# Altium PCB SONDE_2.PcbDoc (part 5 of 10) (continued)
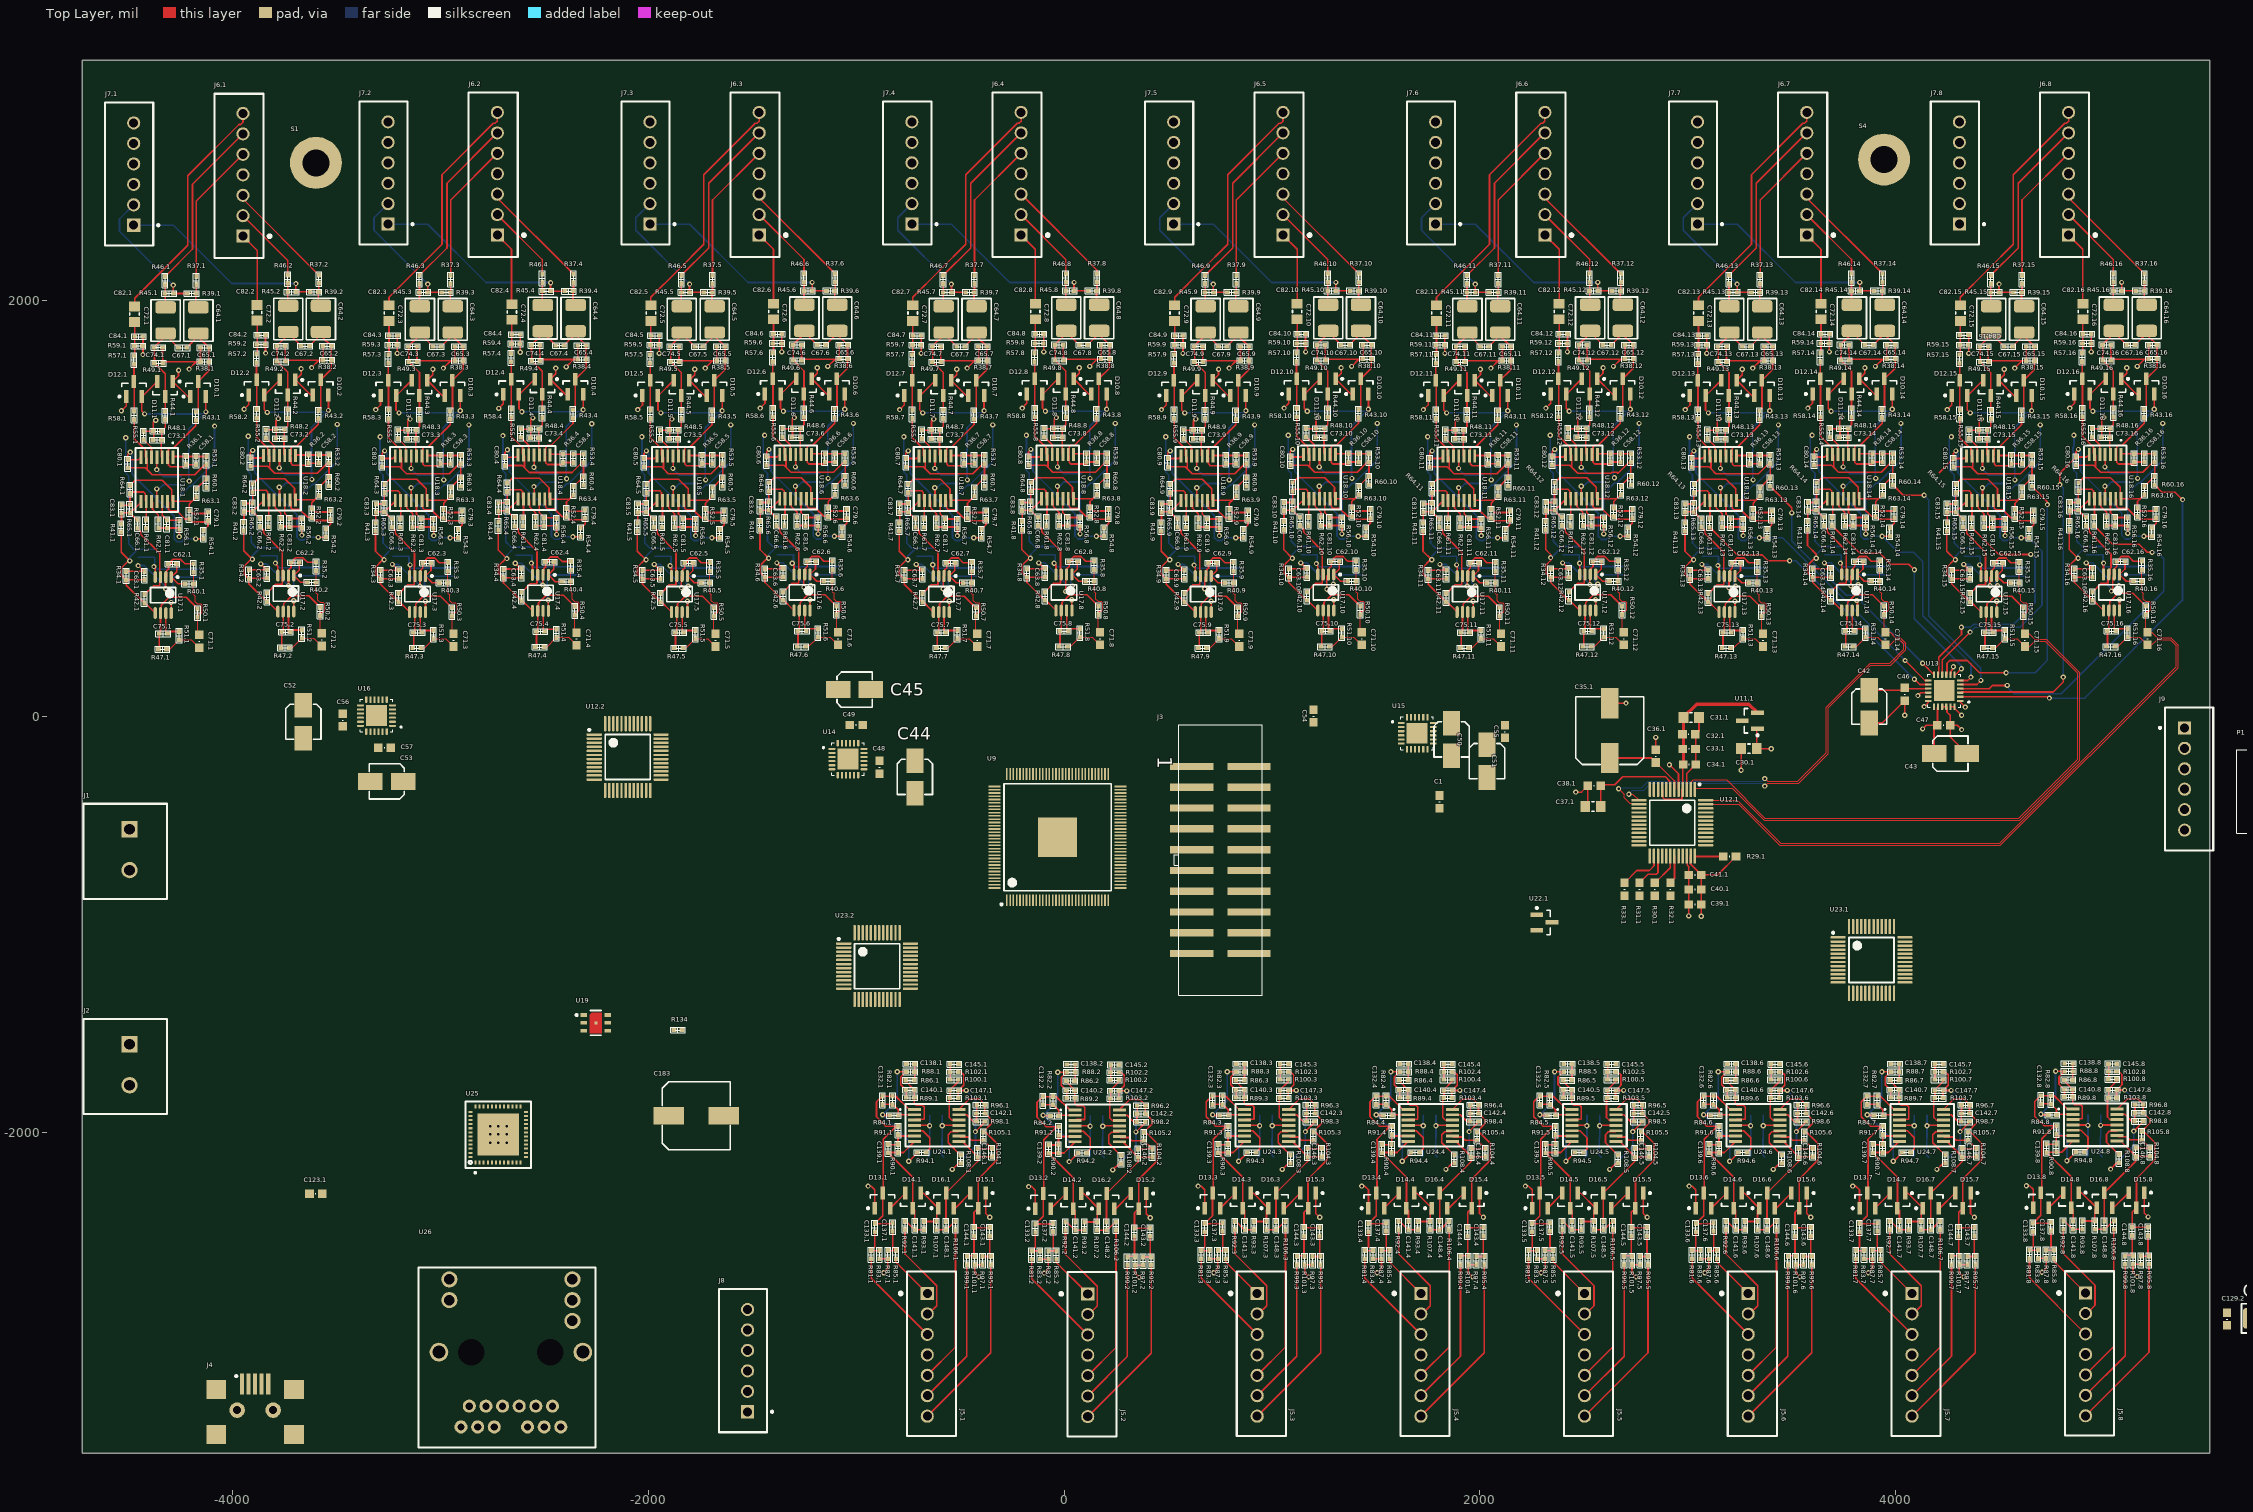
[diagram p0: Top Layer view]
## Nets (pads, with @x,y where several pads share a name; then routed paths per layer and width w, separated by ;. In a path a pad name is that pad's centre, name@x,y a point inside that pad or via, vN(x,y) a via of type N, cw(c..) or ccw(c..) an arc to the next point about the centre after c; other vN are vias at no path point) (continued)
; R56.16.2@5115.75,915.65 5116.35,915.06 v1(5116.35,881.59) ; v1(5145.34,-1993.9) 5190.07,-1949.17 R98.8.2@5190.07,-1946.38 ; v1(5162.31,1684.53) 5197.43,1719.65 ; C65.16.2@5217.78,1787.66 R38.16.2@5217.78,1719.65 5197.43,1719.65
  Bottom Layer w8: v1(-4514.44,1341.2) -4514.44,1281.87 -4514.5,1281.82 -4514.5,1264.01 -4514.44,1263.95 -4514.44,1171.64 -4500.44,1157.64 -4500.44,830.36 -4475.68,805.6 C78.1.1@-4375,805.6 ; v1(-4494.91,749.36) -4494.91,767 -4459.37,802.55 C76.1.1@-4456.08,802.55 ; v1(-4256.55,866.03) -4256.55,1059.61 -4206.84,1109.32 -4198.61,1109.32 -4087,1220.93 v1@-4087,1396.91 ; v1(-3924.77,1348.68) -3924.77,1289.35 -3924.83,1289.29 -3924.83,1271.48 -3924.77,1271.43 -3924.77,1179.12 -3910.77,1165.12 -3910.77,837.84 -3886.01,813.07 C78.2.1@-3785.33,813.07 ; v1(-3905.24,756.84) -3905.24,774.47 -3869.69,810.02 C76.2.1@-3866.4,810.02 ; v1(-3666.88,873.51) -3666.88,1067.08 -3617.17,1116.79 -3608.94,1116.79 -3497.33,1228.41 v1@-3497.33,1404.39 ; v1(-3290.86,1346.34) -3290.86,1287.01 -3290.92,1286.96 -3290.92,1269.14 -3290.86,1269.09 -3290.86,1176.78 -3276.86,1162.78 -3276.86,835.5 -3252.1,810.73 C78.3.1@-3151.42,810.73 ; v1(-3271.33,754.5) -3271.33,772.13 -3235.78,807.68 C76.3.1@-3232.49,807.68 ; v1(-3032.97,871.17) -3032.97,1064.75 -2983.26,1114.46 -2975.03,1114.46 -2863.42,1226.07 v1@-2863.42,1402.05 ; v1(-2699.83,1351.93) -2699.83,1292.6 -2699.89,1292.55 -2699.89,1274.73 -2699.83,1274.68 -2699.83,1182.37 -2685.83,1168.37 -2685.83,841.09 -2661.07,816.32 C78.4.1@-2560.39,816.32 ; v1(-2680.3,760.09) -2680.3,777.72 -2644.75,813.27 C76.4.1@-2641.46,813.27 ; v1(-2441.94,876.76) -2441.94,1070.34 -2392.23,1120.05 -2384,1120.05 -2272.39,1231.66 v1@-2272.39,1407.64 ; v1(-2031.02,1346.34) -2031.02,1287.01 -2031.08,1286.96 -2031.08,1269.14 -2031.02,1269.09 -2031.02,1176.78 -2017.02,1162.78 -2017.02,835.5 -1992.26,810.73 C78.5.1@-1891.58,810.73 ; v1(-2011.49,754.5) -2011.49,772.13 -1975.94,807.68 C76.5.1@-1972.65,807.68 ; v1(-1773.13,871.17) -1773.13,1064.75 -1723.42,1114.46 -1715.19,1114.46 -1603.58,1226.07 v1@-1603.58,1402.05 ; v1(-1441.35,1353.81) -1448,1347.16 -1448,1190.91 -1427.35,1170.25 -1427.35,842.97 -1402.58,818.21 C78.6.1@-1301.9,818.21 ; v1(-1421.82,761.97) -1421.82,779.61 -1386.27,815.16 C76.6.1@-1382.98,815.16 ; v1(-1183.46,878.65) -1183.46,1072.22 -1133.75,1121.93 -1125.52,1121.93 -1013.9,1233.54 v1@-1013.9,1409.53 ; v1(-803.08,-1708.46) -803.08,-1844.96 v1(-873.39,-1915.28) -748.08,-2040.59 v1(-748.08,-2138.46) ; v1(-771.18,1346.34) -771.18,1287.01 -771.23,1286.96 -771.23,1269.14 -771.18,1269.09 -771.18,1176.78 -757.18,1162.78 -757.18,835.5 -732.41,810.73 C78.7.1@-631.73,810.73 ; v1(-751.65,754.5) -751.65,772.13 -716.1,807.68 C76.7.1@-712.81,807.68 ; v1(-538.08,-2178.46) -426.73,-2067.12 v1(-426.73,-1995.98) -426.73,-1842.34 v1(-470.61,-1798.46) ; v1(-513.29,871.17) -513.29,1064.75 -463.58,1114.46 -455.35,1114.46 -343.73,1226.07 v1@-343.73,1402.05 ; v1(-181.5,1353.81) -181.5,1294.49 -181.56,1294.43 -181.56,1276.62 -181.5,1276.56 -181.5,1184.25 -167.5,1170.25 -167.5,842.97 -142.74,818.21 C78.8.1@-42.06,818.21 ; v1(-161.98,761.97) -161.98,779.61 -126.43,815.16 C76.8.1@-123.14,815.16 ; v1(-31,-1710.54) -31,-1847.05 v1(-101.31,-1917.36) 24,-2042.68 v1(24,-2140.54) ; v1(76.38,878.65) 76.38,1072.22 126.09,1121.93 134.33,1121.93 245.94,1233.54 v1@245.94,1409.53 ; v1(234,-2180.54) 345.34,-2069.2 v1(345.34,-1998.06) 345.34,-1844.42 v1(301.47,-1800.54) ; v1(488.67,1346.34) 488.67,1287.01 488.61,1286.96 488.61,1269.14 488.67,1269.09 488.67,1176.78 502.67,1162.78 502.67,835.5 527.43,810.73 C78.9.1@628.11,810.73 ; v1(508.19,754.5) 508.19,772.13 543.74,807.68 C76.9.1@547.03,807.68 ; v1(746.56,871.17) 746.56,1064.75 796.26,1114.46 804.5,1114.46 916.11,1226.07 v1@916.11,1402.05 ; v1(784.18,-1708.46) 784.18,-1844.96 v1(713.86,-1915.28) 839.18,-2040.59 v1(839.18,-2138.46) ; v1(1049.18,-2178.46) 1160.52,-2067.12 v1(1160.52,-1995.98) 1160.52,-1842.34 v1(1116.64,-1798.46) ; v1(1078.34,1353.81) 1078.34,1294.49 1078.28,1294.43 1078.28,1276.62 1078.34,1276.56 1078.34,1184.25 1092.34,1170.25 1092.34,842.97 1117.1,818.21 C78.10.1@1217.78,818.21 ; v1(1097.87,761.97) 1097.87,779.61 1133.42,815.16 C76.10.1@1136.71,815.16 ; v1(1336.23,878.65) 1336.23,1072.22 1385.94,1121.93 1394.17,1121.93 1505.78,1233.54 v1@1505.78,1409.53 ; v1(1571.58,-1708.46) 1571.58,-1844.96 v1(1501.26,-1915.28) 1626.58,-2040.59 v1(1626.58,-2138.46) ; v1(1748.51,1346.34) 1748.51,1287.01 1748.45,1286.96 1748.45,1269.14 1748.51,1269.09 1748.51,1176.78 1762.51,1162.78 1762.51,835.5 1787.27,810.73 C78.11.1@1887.95,810.73 ; v1(1768.04,754.5) 1768.04,772.13 1803.59,807.68 C76.11.1@1806.88,807.68 ; v1(1836.58,-2178.46) 1947.92,-2067.12 v1(1947.92,-1995.98) 1947.92,-1842.34 v1(1904.04,-1798.46) ; v1(2006.4,871.17) 2006.4,1064.75 2056.11,1114.46 2064.34,1114.46 2175.95,1226.07 v1@2175.95,1402.05 ; v1(2338.18,1353.81) 2338.18,1294.49 2338.12,1294.43 2338.12,1276.62 2338.18,1276.56 2338.18,1184.25 2352.18,1170.25 2352.18,842.97 2376.94,818.21 C78.12.1@2477.62,818.21 ; v1(2340,765) 2343.1,765 2393.26,815.16 C76.12.1@2396.55,815.16 ; v1(2358.98,-1708.46) 2358.98,-1844.96 v1(2288.66,-1915.28) 2413.98,-2040.59 v1(2413.98,-2138.46) ; v1(2596.07,878.65) 2596.07,1072.22 2645.78,1121.93 2657.66,1121.93 2765.62,1229.89 v1@2765.62,1409.53 ; v1(2623.98,-2178.46) 2735.32,-2067.12 v1(2735.32,-1995.98) 2735.32,-1842.34 v1(2691.45,-1798.46) ; v1(3008.35,1346.34) 3008.35,1287.01 3008.29,1286.96 3008.29,1269.14 3008.35,1269.09 3008.35,1176.78 3022.35,1162.78 3022.35,835.5 3047.11,810.73 C78.13.1@3147.79,810.73 ; v1(3027.88,754.5) 3027.88,772.13 3063.43,807.68 C76.13.1@3066.72,807.68 ; v1(3146.38,-1708.46) 3146.38,-1844.96 v1(3076.07,-1915.28) 3201.38,-2040.59 v1(3201.38,-2138.46) ; v1(3266.24,871.17) 3266.24,1064.75 3315.95,1114.46 3324.18,1114.46 3435.79,1226.07 v1@3435.79,1402.05 ; v1(3411.38,-2178.46) 3522.72,-2067.12 v1(3522.72,-1995.98) 3522.72,-1842.34 v1(3478.85,-1798.46) ; v1(3598.02,1353.81) 3589,1344.79 3589,1193.28 3612.02,1170.25 3612.02,842.97 3636.79,818.21 C78.14.1@3737.47,818.21 ; v1(3617.55,761.97) 3617.55,779.61 3653.1,815.16 C76.14.1@3656.39,815.16 ; v1(3855.91,878.65) 3855.91,1072.22 3905.62,1121.93 3913.85,1121.93 4025.47,1233.54 v1@4025.47,1409.53 ; v1(3933.78,-1708.46) 3933.78,-1844.96 v1(3863.47,-1915.28) 3988.78,-2040.59 v1(3988.78,-2138.46) ; v1(4198.78,-2178.46) 4310.13,-2067.12 v1(4310.13,-1995.98) 4310.13,-1842.34 v1(4266.25,-1798.46) ; v1(4268.19,1346.34) 4258,1336.14 4258,1186.97 4282.19,1162.78 4282.19,835.5 4306.96,810.73 C78.15.1@4407.64,810.73 ; v1(4287.72,754.5) 4287.72,772.13 4323.27,807.68 C76.15.1@4326.56,807.68 ; v1(4526.08,871.17) 4526.08,1064.75 4575.79,1114.46 4584.02,1114.46 4695.64,1226.07 v1@4695.64,1402.05 ; v1(4769,-1706.38) 4769,-1842.88 v1(4698.69,-1913.2) 4824,-2038.51 v1(4824,-2136.38) ; v1(4857.87,1353.81) 4857.87,1301.56 4852.81,1296.5 4852.81,1274.55 4857.87,1269.49 4857.87,1184.25 4871.87,1170.25 4871.87,842.97 4896.63,818.21 C78.16.1@4997.31,818.21 ; v1(4877.39,761.97) 4877.39,779.61 4912.94,815.16 C76.16.1@4916.23,815.16 ; v1(5034,-2176.38) 5145.34,-2065.03 v1(5145.34,-1993.9) 5145.34,-1840.25 v1(5101.47,-1796.38) ; v1(5116.35,881.59) 5116.35,1071.63 5115.75,1072.22 5165.46,1121.93 5173.7,1121.93 5285.31,1233.54 v1@5285.31,1409.53
  other v1: -4087,1397.91 -2863.42,1403.05 -1603.58,1403.05 -343.73,1403.05 916.11,1403.05 2175.95,1403.05 3435.79,1403.05 4695.64,1403.05 -3497.33,1405.39 -2272.39,1408.64 -1013.9,1410.53 245.94,1410.53 1505.78,1410.53 2765.62,1410.53 4025.47,1410.53 5285.31,1410.53
+3V3: C1.1 C2.1 C39.1.1 C39.2.1 C40.1.1 C40.2.1 C41.1.1 C41.2.1 C43.+ C45.+ C47.1 C49.1 C51.+ C53.+ C55.1 C57.1 C93.+ C94.+ C98.1 C99.1 C103.1 C104.1 C107.1 C108.1 C111.1 C112.1 C115.1 C116.1 C120.1 C123.1.1 C123.2.1 C127.1.1 C127.2.1 C131.1.1 C131.2.1 C154.1 C155.1 C156.2 C157.2 C158.2 C159.1 C160.1 L6.2 L7.1 L8.1 Q1.S R20.1 R21.1 R22.1 R29.1.1 R29.2.1 R68.1 R70.1 R109.1 R110.1 R111.1 R112.1 R113.2 R135.2 R136.2 R137.2 TP12.1 TP12.2 U1.1 U2.1 U2.4 U9.6 U9.14 U9.19 U9.29 U9.42 U9.44 U9.52 U9.67 U9.78 U9.83 U9.92 U9.105 U9.110 U9.111 U12.1.28 U12.1.33 U12.1.35 U12.1.38 U12.2.28 U12.2.33 U12.2.35 U13.16 U13.18 U13.20 U13.23 U13.24 U14.16 U14.18 U14.20 U14.21 U14.23 U14.24 U15.16 U15.18 U15.20 U15.22 U15.23 U15.24 U16.16 U16.18 U16.20 U16.21 U16.22 U16.23 U16.24 U21.3 U21.5 U22.1.3 U22.2.3 U23.1.18 U23.1.43 U23.2.17 U23.2.18 U23.2.43 U25.16 U25.34 U25.40 U27.1 U27.4 | length 997
  Top Layer w8: U12.1.35@3011.76,-668.05 3011.76,-707.91 C41.1.1@3065.24,-761.39 ; v1(3065.24,-960) C39.1.1@3065.24,-903.95 C40.1.1@3065.24,-831.39 C41.1.1@3065.24,-761.39 ; R29.1.1@3232.08,-672.73 3143.42,-761.39 C41.1.1@3065.24,-761.39 ; v1(4106.79,101.5) 4120.42,115.13 U13.16@4156.83,115.13 ; v1(4129.84,-59.29) 4147.56,-41.57 C47.1@4201.04,-41.57 ; v1(4136.79,48) 4156.83,68.03 U13.18@4156.83,75.76 ; C43.+@4184.58,-178.03 4184.58,-58.02 C47.1@4201.04,-41.57 ; U13.20@4204.27,48 4201.04,44.77 C47.1@4201.04,-41.57 ; U13.23@4263.32,48 U13.24@4283.01,48 4283.01,40.6 v1(4316.79,6.81)
+5V5: C5.+ C6.+ C12.1 C16.1 C30.1.1 C30.2.1 C87.1 L1.2 P1.1 R7.1 TP16.1 TP16.2 U4.1 U4.4 U5.3 U11.1.3 U11.2.3 U19.4 U19.5 | length 103.5
  Top Layer w8: v1(3256.61,-257.83) C30.1.1@3256.61,-154.37
+5VA: C15.+ C17.1 C42.+ C44.+ C46.1 C48.1 C50.+ C52.+ C54.1 C56.1 C59.1.1 C59.2.1 C59.3.1 C59.4.1 C59.5.1 C59.6.1 C59.7.1 C59.8.1 C59.9.1 C59.10.1 C59.11.1 C59.12.1 C59.13.1 C59.14.1 C59.15.1 C59.16.1 C60.1.1 C60.2.1 C60.3.1 C60.4.1 C60.5.1 C60.6.1 C60.7.1 C60.8.1 C60.9.1 C60.10.1 C60.11.1 C60.12.1 C60.13.1 C60.14.1 C60.15.1 C60.16.1 C61.1.1 C61.2.1 C61.3.1 C61.4.1 C61.5.1 C61.6.1 C61.7.1 C61.8.1 C61.9.1 C61.10.1 C61.11.1 C61.12.1 C61.13.1 C61.14.1 C61.15.1 C61.16.1 C68.1.1 C68.2.1 C68.3.1 C68.4.1 C68.5.1 C68.6.1 C68.7.1 C68.8.1 C68.9.1 C68.10.1 C68.11.1 C68.12.1 C68.13.1 C68.14.1 C68.15.1 C68.16.1 C69.1.1 C69.2.1 C69.3.1 C69.4.1 C69.5.1 C69.6.1 C69.7.1 C69.8.1 C69.9.1 C69.10.1 C69.11.1 C69.12.1 C69.13.1 C69.14.1 C69.15.1 C69.16.1 C70.1.1 C70.2.1 C70.3.1 C70.4.1 C70.5.1 C70.6.1 C70.7.1 C70.8.1 C70.9.1 C70.10.1 C70.11.1 C70.12.1 C70.13.1 C70.14.1 C70.15.1 C70.16.1 C121.1.1 C121.2.1 C122.1.1 C122.2.1 C134.1.1 C134.2.1 C134.3.1 C134.4.1 C134.5.1 C134.6.1 C134.7.1 C134.8.1 C135.1.1 C135.2.1 C135.3.1 C135.4.1 C135.5.1 C135.6.1 C135.7.1 C135.8.1 C136.1.2 C136.2.2 C136.3.2 C136.4.2 C136.5.2 C136.6.2 C136.7.2 C136.8.2 C176.1 C177.1 C180.2 D4.K D10.1.2 D10.2.2 D10.3.2 D10.4.2 D10.5.2 D10.6.2 D10.7.2 D10.8.2 D10.9.2 D10.10.2 D10.11.2 D10.12.2 D10.13.2 D10.14.2 D10.15.2 D10.16.2 D11.1.2 D11.2.2 D11.3.2 D11.4.2 D11.5.2 D11.6.2 D11.7.2 D11.8.2 D11.9.2 D11.10.2 D11.11.2 D11.12.2 D11.13.2 D11.14.2 D11.15.2 D11.16.2 D12.1.2 D12.2.2 D12.3.2 D12.4.2 D12.5.2 D12.6.2 D12.7.2 D12.8.2 D12.9.2 D12.10.2 D12.11.2 D12.12.2 D12.13.2 D12.14.2 D12.15.2 D12.16.2 D13.1.2 D13.2.2 D13.3.2 D13.4.2 D13.5.2 D13.6.2 D13.7.2 D13.8.2 D14.1.2 D14.2.2 D14.3.2 D14.4.2 D14.5.2 D14.6.2 D14.7.2 D14.8.2 D15.1.2 D15.2.2 D15.3.2 D15.4.2 D15.5.2 D15.6.2 D15.7.2 D15.8.2 D16.1.2 D16.2.2 D16.3.2 D16.4.2 D16.5.2 D16.6.2 D16.7.2 D16.8.2 R6.2 TP13.1 TP13.2 U4.3 U13.15 U14.15 U15.15 U16.15 U17.1.8 U17.2.8 U17.3.8 U17.4.8 U17.5.8 U17.6.8 U17.7.8 U17.8.8 U17.9.8 U17.10.8 U17.11.8 U17.12.8 U17.13.8 U17.14.8 U17.15.8 U17.16.8 U18.1.4 U18.2.4 U18.3.4 U18.4.4 U18.5.4 U18.6.4 U18.7.4 U18.8.4 U18.9.4 U18.10.4 U18.11.4 U18.12.4 U18.13.4 U18.14.4 U18.15.4 U18.16.4 U23.1.32 U23.2.32 U24.1.4 U24.2.4 U24.3.4 U24.4.4 U24.5.4 U24.6.4 U24.7.4 U24.8.4 U28.2 U28.8 | length 26598
  Top Layer w8: v1(-4423.39,1456.03) -4437.44,1470.09 D12.1.2@-4437.44,1539.62 -4435.08,1539.62 D11.1.2@-4362.24,1612.45 ; v1@-4364.55,1189.72 U18.1.4@-4364.55,1247.96 ; U17.1.8@-4295.64,498.1 v1@-4295.64,549.33 ; v1(-4128.75,1465.84) D10.1.2@-4128.75,1539.62 ; v1(-3833.72,1463.51) -3847.77,1477.56 D12.2.2@-3847.77,1547.09 -3845.41,1547.09 D11.2.2@-3772.57,1619.93 ; v1@-3774.88,1197.2 U18.2.4@-3774.88,1255.43 ; U17.2.8@-3705.97,505.58 v1@-3705.97,556.81 ; v1(-3539.08,1473.31) D10.2.2@-3539.08,1547.09 ; v1(-3199.81,1461.17) -3213.86,1475.22 D12.3.2@-3213.86,1544.75 -3211.5,1544.75 D11.3.2@-3138.66,1617.59 ; v1@-3140.97,1194.86 U18.3.4@-3140.97,1253.09 ; U17.3.8@-3072.06,503.24 v1@-3072.06,554.47 ; v1(-2905.17,1470.98) D10.3.2@-2905.17,1544.75 ; v1(-2608.78,1466.76) -2622.83,1480.81 D12.4.2@-2622.83,1550.35 -2620.46,1550.35 D11.4.2@-2547.63,1623.18 ; v1@-2549.94,1200.45 U18.4.4@-2549.94,1258.68 ; U17.4.8@-2481.03,508.83 v1@-2481.03,560.06 ; v1(-2314.14,1476.57) D10.4.2@-2314.14,1550.35 ; v1(-1939.96,1461.17) -1954.02,1475.22 D12.5.2@-1954.02,1544.75 -1951.65,1544.75 D11.5.2@-1878.82,1617.59 ; v1@-1881.13,1194.86 U18.5.4@-1881.13,1253.09 ; U17.5.8@-1812.22,503.24 v1@-1812.22,554.47 ; v1(-1645.33,1470.98) D10.5.2@-1645.33,1544.75 ; v1(-1350.29,1468.65) -1364.34,1482.7 D12.6.2@-1364.34,1552.23 -1361.98,1552.23 D11.6.2@-1289.15,1625.07 ; v1@-1291.46,1202.33 U18.6.4@-1291.46,1260.57 ; U17.6.8@-1222.54,510.72 v1@-1222.54,561.95 ; v1(-1055.66,1478.45) D10.6.2@-1055.66,1552.23 ; D13.1.2@-835.99,-2364.88 -765.48,-2294.37 D14.1.2@-765.48,-2292.04 ; U24.1.4@-719.31,-1966.46 -649.1,-1966.46 v1(-647.1,-1968.46) ; v1(-680.12,1461.17) -694.17,1475.22 D12.7.2@-694.17,1544.75 -691.81,1544.75 D11.7.2@-618.98,1617.59 ; v1@-621.29,1194.86 U18.7.4@-621.29,1253.09 ; U17.7.8@-552.37,503.24 v1@-552.37,554.47 ; D16.1.2@-530.68,-2364.88 -524.09,-2364.88 D15.1.2@-451.25,-2292.04 ; v1(-385.49,1470.98) D10.7.2@-385.49,1544.75 ; v1(-90.45,1468.65) -104.5,1482.7 D12.8.2@-104.5,1552.23 -102.14,1552.23 D11.8.2@-29.3,1625.07 ; D13.2.2@-63.91,-2366.96 6.6,-2296.45 D14.2.2@6.6,-2294.13 ; v1@-31.62,1202.33 U18.8.4@-31.62,1260.57 ; U17.8.8@37.3,510.72 v1@37.3,561.95 ; U24.2.4@52.76,-1968.54 122.98,-1968.54 v1(124.98,-1970.54) ; v1(204.18,1478.45) D10.8.2@204.18,1552.23 ; D16.2.2@241.4,-2366.96 247.99,-2366.96 D15.2.2@320.83,-2294.13 ; v1(579.72,1461.17) 565.67,1475.22 D12.9.2@565.67,1544.75 568.03,1544.75 D11.9.2@640.87,1617.59 ; v1@638.56,1194.86 U18.9.4@638.56,1253.09 ; U17.9.8@707.47,503.24 v1@707.47,554.47 ; D13.3.2@751.26,-2364.88 821.77,-2294.37 D14.3.2@821.77,-2292.04 ; U24.3.4@867.94,-1966.46 938.16,-1966.46 v1(940.16,-1968.46) ; v1(874.35,1470.98) D10.9.2@874.35,1544.75 ; D16.3.2@1056.58,-2364.88 1063.17,-2364.88 D15.3.2@1136,-2292.04 ; v1(1169.39,1468.65) 1155.34,1482.7 D12.10.2@1155.34,1552.23 1157.7,1552.23 D11.10.2@1230.54,1625.07 ; v1@1228.23,1202.33 U18.10.4@1228.23,1260.57 ; U17.10.8@1297.14,510.72 v1@1297.14,561.95 ; v1(1464.03,1478.45) D10.10.2@1464.03,1552.23 ; D13.4.2@1538.66,-2364.88 1609.18,-2294.37 D14.4.2@1609.18,-2292.04 ; U24.4.4@1655.34,-1966.46 1725.56,-1966.46 v1(1727.56,-1968.46) ; v1(1839.56,1461.17) 1825.51,1475.22 D12.11.2@1825.51,1544.75 1827.87,1544.75 D11.11.2@1900.71,1617.59 ; D16.4.2@1843.98,-2364.88 1850.57,-2364.88 D15.4.2@1923.4,-2292.04 ; v1@1898.4,1194.86 U18.11.4@1898.4,1253.09 ; U17.11.8@1967.31,503.24 v1@1967.31,554.47 ; v1(2134.2,1470.98) D10.11.2@2134.2,1544.75 ; D13.5.2@2326.07,-2364.88 2396.58,-2294.37 D14.5.2@2396.58,-2292.04 ; v1(2429.24,1468.65) 2415.18,1482.7 D12.12.2@2415.18,1552.23 2417.55,1552.23 D11.12.2@2490.38,1625.07 ; U24.5.4@2442.74,-1966.46 2512.96,-1966.46 v1(2514.96,-1968.46) ; v1(2487.07,1199.02) 2487.07,1259.57 U18.12.4@2488.07,1260.57 ; U17.12.8@2556.98,510.72 v1@2556.98,561.95 ; D16.5.2@2631.38,-2364.88 2637.97,-2364.88 D15.5.2@2710.81,-2292.04 ; v1(2723.87,1478.45) D10.12.2@2723.87,1552.23 ; v1(3099.41,1461.17) 3085.35,1475.22 D12.13.2@3085.35,1544.75 3087.72,1544.75 D11.13.2@3160.55,1617.59 ; D13.6.2@3113.47,-2364.88 3183.98,-2294.37 D14.6.2@3183.98,-2292.04 ; v1@3158.24,1194.86 U18.13.4@3158.24,1253.09 ; U17.13.8@3227.15,503.24 v1@3227.15,554.47 ; U24.6.4@3230.14,-1966.46 3300.36,-1966.46 v1(3302.36,-1968.46) ; v1(3394.04,1470.98) D10.13.2@3394.04,1544.75 ; D16.6.2@3418.78,-2364.88 3425.37,-2364.88 D15.6.2@3498.21,-2292.04 ; v1(3689.08,1468.65) 3675.03,1482.7 D12.14.2@3675.03,1552.23 3677.39,1552.23 D11.14.2@3750.22,1625.07 ; v1@3747.91,1202.33 U18.14.4@3747.91,1260.57 ; U17.14.8@3816.83,510.72 v1@3816.83,561.95 ; C42.+@3873.34,126.74 4031.81,126.74 C46.1@4043.34,138.27 4046.79,134.81 U13.15@4156.83,134.81 ; D13.7.2@3900.87,-2364.88 3971.38,-2294.37 D14.7.2@3971.38,-2292.04 ; v1(3983.71,1478.45) D10.14.2@3983.71,1552.23 ; U24.7.4@4017.55,-1966.46 4087.76,-1966.46 v1(4089.76,-1968.46) ; D16.7.2@4206.18,-2364.88 4212.77,-2364.88 D15.7.2@4285.61,-2292.04 ; v1(4359.25,1461.17) 4345.2,1475.22 D12.15.2@4345.2,1544.75 4347.56,1544.75 D11.15.2@4420.39,1617.59 ; v1@4418.08,1194.86 U18.15.4@4418.08,1253.09 ; U17.15.8@4487,503.24 v1@4487,554.47 ; v1(4653.88,1470.98) D10.15.2@4653.88,1544.75 ; D13.8.2@4736.09,-2362.8 4806.6,-2292.28 D14.8.2@4806.6,-2289.96 ; U24.8.4@4852.76,-1964.38 4922.98,-1964.38 v1(4924.98,-1966.38) ; v1(4948.92,1468.65) 4934.87,1482.7 D12.16.2@4934.87,1552.23 4937.23,1552.23 D11.16.2@5010.07,1625.07 ; v1@5007.75,1202.33 U18.16.4@5007.75,1260.57 ; D16.8.2@5041.4,-2362.8 5047.99,-2362.8 D15.8.2@5120.83,-2289.96 ; U17.16.8@5076.67,510.72 v1@5076.67,561.95 ; v1(5243.55,1478.45) D10.16.2@5243.55,1552.23
  Bottom Layer w8: v1(-4423.39,1456.03) -4138.56,1456.03 v1(-4128.75,1465.84) -4210.44,1384.15 -4210.44,1131.31 -4208.55,1133.2 v1(-4208.55,1133.32) ; v1@-4365.55,1186.4 C61.1.1@-4334.55,1155.4 C60.1.1@-4290.55,1155.4 C59.1.1@-4247.55,1155.4 ; v1@-4295.64,549.33 -4289,555.97 -4289,657.29 C70.1.1@-4301,669.29 -4300.06,670.23 C68.1.1@-4229,670.23 C69.1.1@-4154,670.23 ; v1(-3833.72,1463.51) -3548.89,1463.51 v1(-3539.08,1473.31) -3620.77,1391.63 -3620.77,1138.79 -3618.88,1140.68 v1(-3618.88,1140.79) ; v1@-3775.88,1193.88 C61.2.1@-3744.88,1162.88 C60.2.1@-3700.88,1162.88 C59.2.1@-3657.88,1162.88 ; v1@-3711.88,556.81 -3706.88,585.66 -3706.88,645.36 -3711.88,676.21 C70.2.1@-3711.33,676.77 -3710.39,677.7 C68.2.1@-3639.33,677.7 C69.2.1@-3564.33,677.7 ; v1(-3199.81,1461.17) -2914.98,1461.17 v1(-2905.17,1470.98) -2986.86,1389.29 -2986.86,1136.45 -2984.97,1138.34 v1(-2984.97,1138.46) ; v1@-3141.97,1191.54 C61.3.1@-3110.97,1160.54 C60.3.1@-3066.97,1160.54 C59.3.1@-3023.97,1160.54 ; v1@-3072.06,554.47 -3077.42,559.83 C70.3.1@-3077.42,674.43 -3076.48,675.36 C68.3.1@-3005.42,675.36 C69.3.1@-2930.42,675.36 ; v1(-2608.78,1466.76) -2323.94,1466.76 v1(-2314.14,1476.57) -2395.83,1394.88 -2395.83,1142.04 -2393.94,1143.93 v1(-2393.94,1144.05) ; v1@-2550.94,1197.13 C61.4.1@-2519.94,1166.13 C60.4.1@-2475.94,1166.13 C59.4.1@-2432.94,1166.13 ; v1@-2481.03,560.06 -2486.39,565.42 C70.4.1@-2486.39,680.02 -2485.45,680.96 C68.4.1@-2414.39,680.96 C69.4.1@-2339.39,680.96 ; v1(-1939.96,1461.17) -1655.13,1461.17 v1(-1645.33,1470.98) -1727.02,1389.29 -1727.02,1136.45 -1725.13,1138.34 v1(-1725.13,1138.46) ; v1@-1882.13,1191.54 C61.5.1@-1851.13,1160.54 C60.5.1@-1807.13,1160.54 C59.5.1@-1764.13,1160.54 ; v1(-1808,627.82) -1818.13,637.95 -1818.13,673.87 C70.5.1@-1817.58,674.43 -1816.64,675.36 C68.5.1@-1745.58,675.36 C69.5.1@-1670.58,675.36 ; v1(-1350.29,1468.65) -1065.46,1468.65 v1(-1055.66,1478.45) -1137.35,1396.76 -1137.35,1143.92 -1135.46,1145.81 v1(-1135.46,1145.93) ; v1@-1292.46,1199.02 C61.6.1@-1261.46,1168.02 C60.6.1@-1217.46,1168.02 C59.6.1@-1174.46,1168.02 ; v1(-1219,631) -1227.9,639.9 C70.6.1@-1227.9,681.9 -1226.97,682.84 C68.6.1@-1155.9,682.84 C69.6.1@-1080.9,682.84 ; v1(-680.12,1461.17) -395.29,1461.17 v1(-385.49,1470.98) -467.18,1389.29 -467.18,1136.45 -465.29,1138.34 v1(-465.29,1138.46) ; C134.1.1@-653.99,-2118.46 -647.1,-2111.57 v1(-647.1,-1968.46) C136.1.2@-647.1,-1918.46 ; v1@-622.29,1191.54 C61.7.1@-591.29,1160.54 C60.7.1@-547.29,1160.54 C59.7.1@-504.29,1160.54 ; v1(-546,621) -558.29,633.29 -558.29,673.87 C70.7.1@-557.73,674.43 -556.8,675.36 C68.7.1@-485.73,675.36 C69.7.1@-410.73,675.36 ; v1(-90.45,1468.65) 194.38,1468.65 v1(204.18,1478.45) 122.5,1396.76 122.5,1143.92 124.38,1145.81 v1(124.38,1145.93) ; v1@-32.62,1199.02 C61.8.1@-1.62,1168.02 C60.8.1@42.38,1168.02 C59.8.1@85.38,1168.02 ; v1(40,629) 31.38,637.62 31.38,681.35 C70.8.1@31.94,681.9 32.88,682.84 C68.8.1@103.94,682.84 C69.8.1@178.94,682.84 ; C134.2.1@118.09,-2120.54 124.98,-2113.65 v1(124.98,-1970.54) C136.2.2@124.98,-1920.54 ; v1(579.72,1461.17) 864.55,1461.17 v1(874.35,1470.98) 792.67,1389.29 792.67,1136.45 794.56,1138.34 v1(794.56,1138.46) ; v1@637.56,1191.54 C61.9.1@668.56,1160.54 C60.9.1@712.56,1160.54 C59.9.1@755.56,1160.54 ; v1(707.08,554.86) 702.11,559.83 C70.9.1@702.11,674.43 703.05,675.36 C68.9.1@774.11,675.36 C69.9.1@849.11,675.36 ; C134.3.1@933.27,-2118.46 940.16,-2111.57 v1(940.16,-1968.46) C136.3.2@940.16,-1918.46 ; v1(1169.39,1468.65) 1454.22,1468.65 v1(1464.03,1478.45) 1382.34,1396.76 1382.34,1143.92 1384.23,1145.81 v1(1384.23,1145.93) ; v1@1227.23,1199.02 C61.10.1@1258.23,1168.02 C60.10.1@1302.23,1168.02 C59.10.1@1345.23,1168.02 ; v1(1295,637) 1295,674.06 1296.76,675.82 1291.23,681.35 C70.10.1@1291.78,681.9 1292.72,682.84 C68.10.1@1363.78,682.84 C69.10.1@1438.78,682.84 ; C134.4.1@1720.67,-2118.46 1727.56,-2111.57 v1(1727.56,-1968.46) C136.4.2@1727.56,-1918.46 ; v1(1839.56,1461.17) 2124.39,1461.17 v1(2134.2,1470.98) 2052.51,1389.29 2052.51,1136.45 2054.4,1138.34 v1(2054.4,1138.46) ; v1@1897.4,1191.54 C61.11.1@1928.4,1160.54 C60.11.1@1972.4,1160.54 C59.11.1@2015.4,1160.54 ; v1(1978,629) 1961.4,645.6 1961.4,673.87 C70.11.1@1961.95,674.43 1962.89,675.36 C68.11.1@2033.95,675.36 C69.11.1@2108.95,675.36 ; v1(2429.24,1468.65) 2714.07,1468.65 v1(2723.87,1478.45) 2642.18,1396.76 2642.18,1143.92 v1(2647,1148.74) ; v1(2487.07,1199.02) C61.12.1@2518.07,1168.02 C60.12.1@2562.07,1168.02 C59.12.1@2605.07,1168.02 ; C134.5.1@2508.07,-2118.46 2514.96,-2111.57 v1(2514.96,-1968.46) C136.5.2@2514.96,-1918.46 ; v1(2567,637) 2567,638 2551.07,653.93 2551.07,681.35 C70.12.1@2551.62,681.9 2552.56,682.84 C68.12.1@2623.62,682.84 C69.12.1@2698.62,682.84 ; v1(3099.41,1461.17) 3384.24,1461.17 v1(3394.04,1470.98) 3312.35,1389.29 3312.35,1136.45 3314.24,1138.34 v1(3314.24,1138.46) ; v1@3157.24,1191.54 C61.13.1@3188.24,1160.54 C60.13.1@3232.24,1160.54 C59.13.1@3275.24,1160.54 ; v1(3230.1,627) 3221.24,635.86 3221.24,673.87 C70.13.1@3221.79,674.43 3222.73,675.36 C68.13.1@3293.79,675.36 C69.13.1@3368.79,675.36 ; C134.6.1@3295.47,-2118.46 3302.36,-2111.57 v1(3302.36,-1968.46) C136.6.2@3302.36,-1918.46 ; v1(3689.08,1468.65) 3973.91,1468.65 v1(3983.71,1478.45) 3902.02,1396.76 3902.02,1143.92 3903.91,1145.81 v1(3903.91,1145.93) ; v1@3746.91,1199.02 C61.14.1@3777.91,1168.02 C60.14.1@3821.91,1168.02 C59.14.1@3864.91,1168.02 ; v1(3819.98,635.3) 3810.91,644.37 3810.91,681.35 C70.14.1@3811.47,681.9 3812.4,682.84 C68.14.1@3883.47,682.84 C69.14.1@3958.47,682.84 ; C134.7.1@4082.87,-2118.46 4089.76,-2111.57 v1(4089.76,-1968.46) C136.7.2@4089.76,-1918.46 ; v1(4359.25,1461.17) 4644.08,1461.17 v1(4653.88,1470.98) 4572.19,1389.29 4572.19,1136.45 4574.08,1138.34 v1(4574.08,1138.46) ; v1@4417.08,1191.54 C61.15.1@4448.08,1160.54 C60.15.1@4492.08,1160.54 C59.15.1@4535.08,1160.54 ; v1@4481.08,635.86 4481.08,673.87 C70.15.1@4481.64,674.43 4482.57,675.36 C68.15.1@4553.64,675.36 C69.15.1@4628.64,675.36 ; C134.8.1@4918.09,-2116.38 4924.98,-2109.49 v1(4924.98,-1966.38) C136.8.2@4924.98,-1916.38 ; v1(4948.92,1468.65) 5233.75,1468.65 v1(5243.55,1478.45) 5161.87,1396.76 5161.87,1143.92 5163.75,1145.81 v1(5163.75,1145.93) ; v1@5006.75,1199.02 C61.16.1@5037.75,1168.02 C60.16.1@5081.75,1168.02 C59.16.1@5124.75,1168.02 ; v1(5075,630) 5070.75,634.25 5070.75,681.35 C70.16.1@5071.31,681.9 5072.25,682.84 C68.16.1@5143.31,682.84 C69.16.1@5218.31,682.84
  other v1: -4296.03,549.72 -3072.44,554.86 -1812.6,554.86 -552.76,554.86 1966.93,554.86 3226.77,554.86 4486.61,554.86 -3706.35,557.2 3812.94,558.83 -2481.41,560.45 -1222.93,562.33 36.91,562.33 1296.76,562.33 2556.6,562.33 5076.28,562.33 4490,630 -4365.55,1188.72 -3141.97,1193.86 -1882.13,1193.86 -622.29,1193.86 637.56,1193.86 1897.4,1193.86 3157.24,1193.86 4417.08,1193.86 -3775.88,1196.2 -2550.94,1199.45 -1292.46,1201.33 -32.62,1201.33 1227.23,1201.33 3746.91,1201.33 5006.75,1201.33
+12V: L10.1
+12V0: C7.+ C8.+ C9.+ C20.1 C90.+ C91.+ D1.2 J1.1 J7.1.5 J7.1.6 J7.2.5 J7.2.6 J7.3.5 J7.3.6 J7.4.5 J7.4.6 J7.5.5 J7.5.6 J7.6.5 J7.6.6 J7.7.5 J7.7.6 J7.8.5 J7.8.6 L2.1 R5.2 R11.2 R66.2 U3.2 U8.3 U20.2
+12VLED: C178.1 C179.1 C181.2 J8.6 L10.2
+48V0: C18.1 D5.A D7.K J7.1.3 J7.2.3 J7.3.3 J7.4.3 J7.5.3 J7.6.3 J7.7.3 J7.8.3 R10.1 TP14.1 TP14.2 U7.2
+49V2: TP17.1 TP17.2
+54V0: C21.1 C22.2 D5.K D6.2 R12.1 U7.3
-V1.1: C79.1.2 R52.1.1 R63.1.1 R64.1.2 U18.1.14 | length 557.5
  Top Layer w8: R64.1.2@-4493.55,1112.4 -4469.24,1136.72 -4338.55,1136.72 -4292.48,1090.65 -4292.48,1040.06 U18.1.14@-4287.78,1035.36 -4195.23,1035.36 ; R63.1.1@-4174.55,1056.03 -4195.23,1035.36 ; C79.1.2@-4119,983.11 -4125.27,976.84 -4194.99,976.84 R52.1.1@-4208.55,990.4 -4208.55,1022.03 -4195.23,1035.36
-V1.2: C79.2.2 R52.2.1 R63.2.1 R64.2.2 U18.2.14 | length 557.5
  Top Layer w8: R64.2.2@-3903.88,1119.88 -3879.57,1144.2 -3748.88,1144.2 -3702.81,1098.12 -3702.81,1047.53 U18.2.14@-3698.11,1042.83 -3605.56,1042.83 ; R63.2.1@-3584.88,1063.51 -3605.56,1042.83 ; C79.2.2@-3529.33,990.59 -3535.6,984.32 -3605.32,984.32 R52.2.1@-3618.88,997.88 -3618.88,1029.51 -3605.56,1042.83